# Altium PCB yidong.PcbDoc (part 1 of 2)
Units mil, origin at the board's own origin, x right, y up, seen from the top; angles counter-clockwise.
Board outline 17007.87 x 11459.7 mil, 3 copper layers (Top Layer, GND, Bottom Layer), stack 19.217 mil thick; 488 components, 481 nets, 1152 pads, 320 vias.
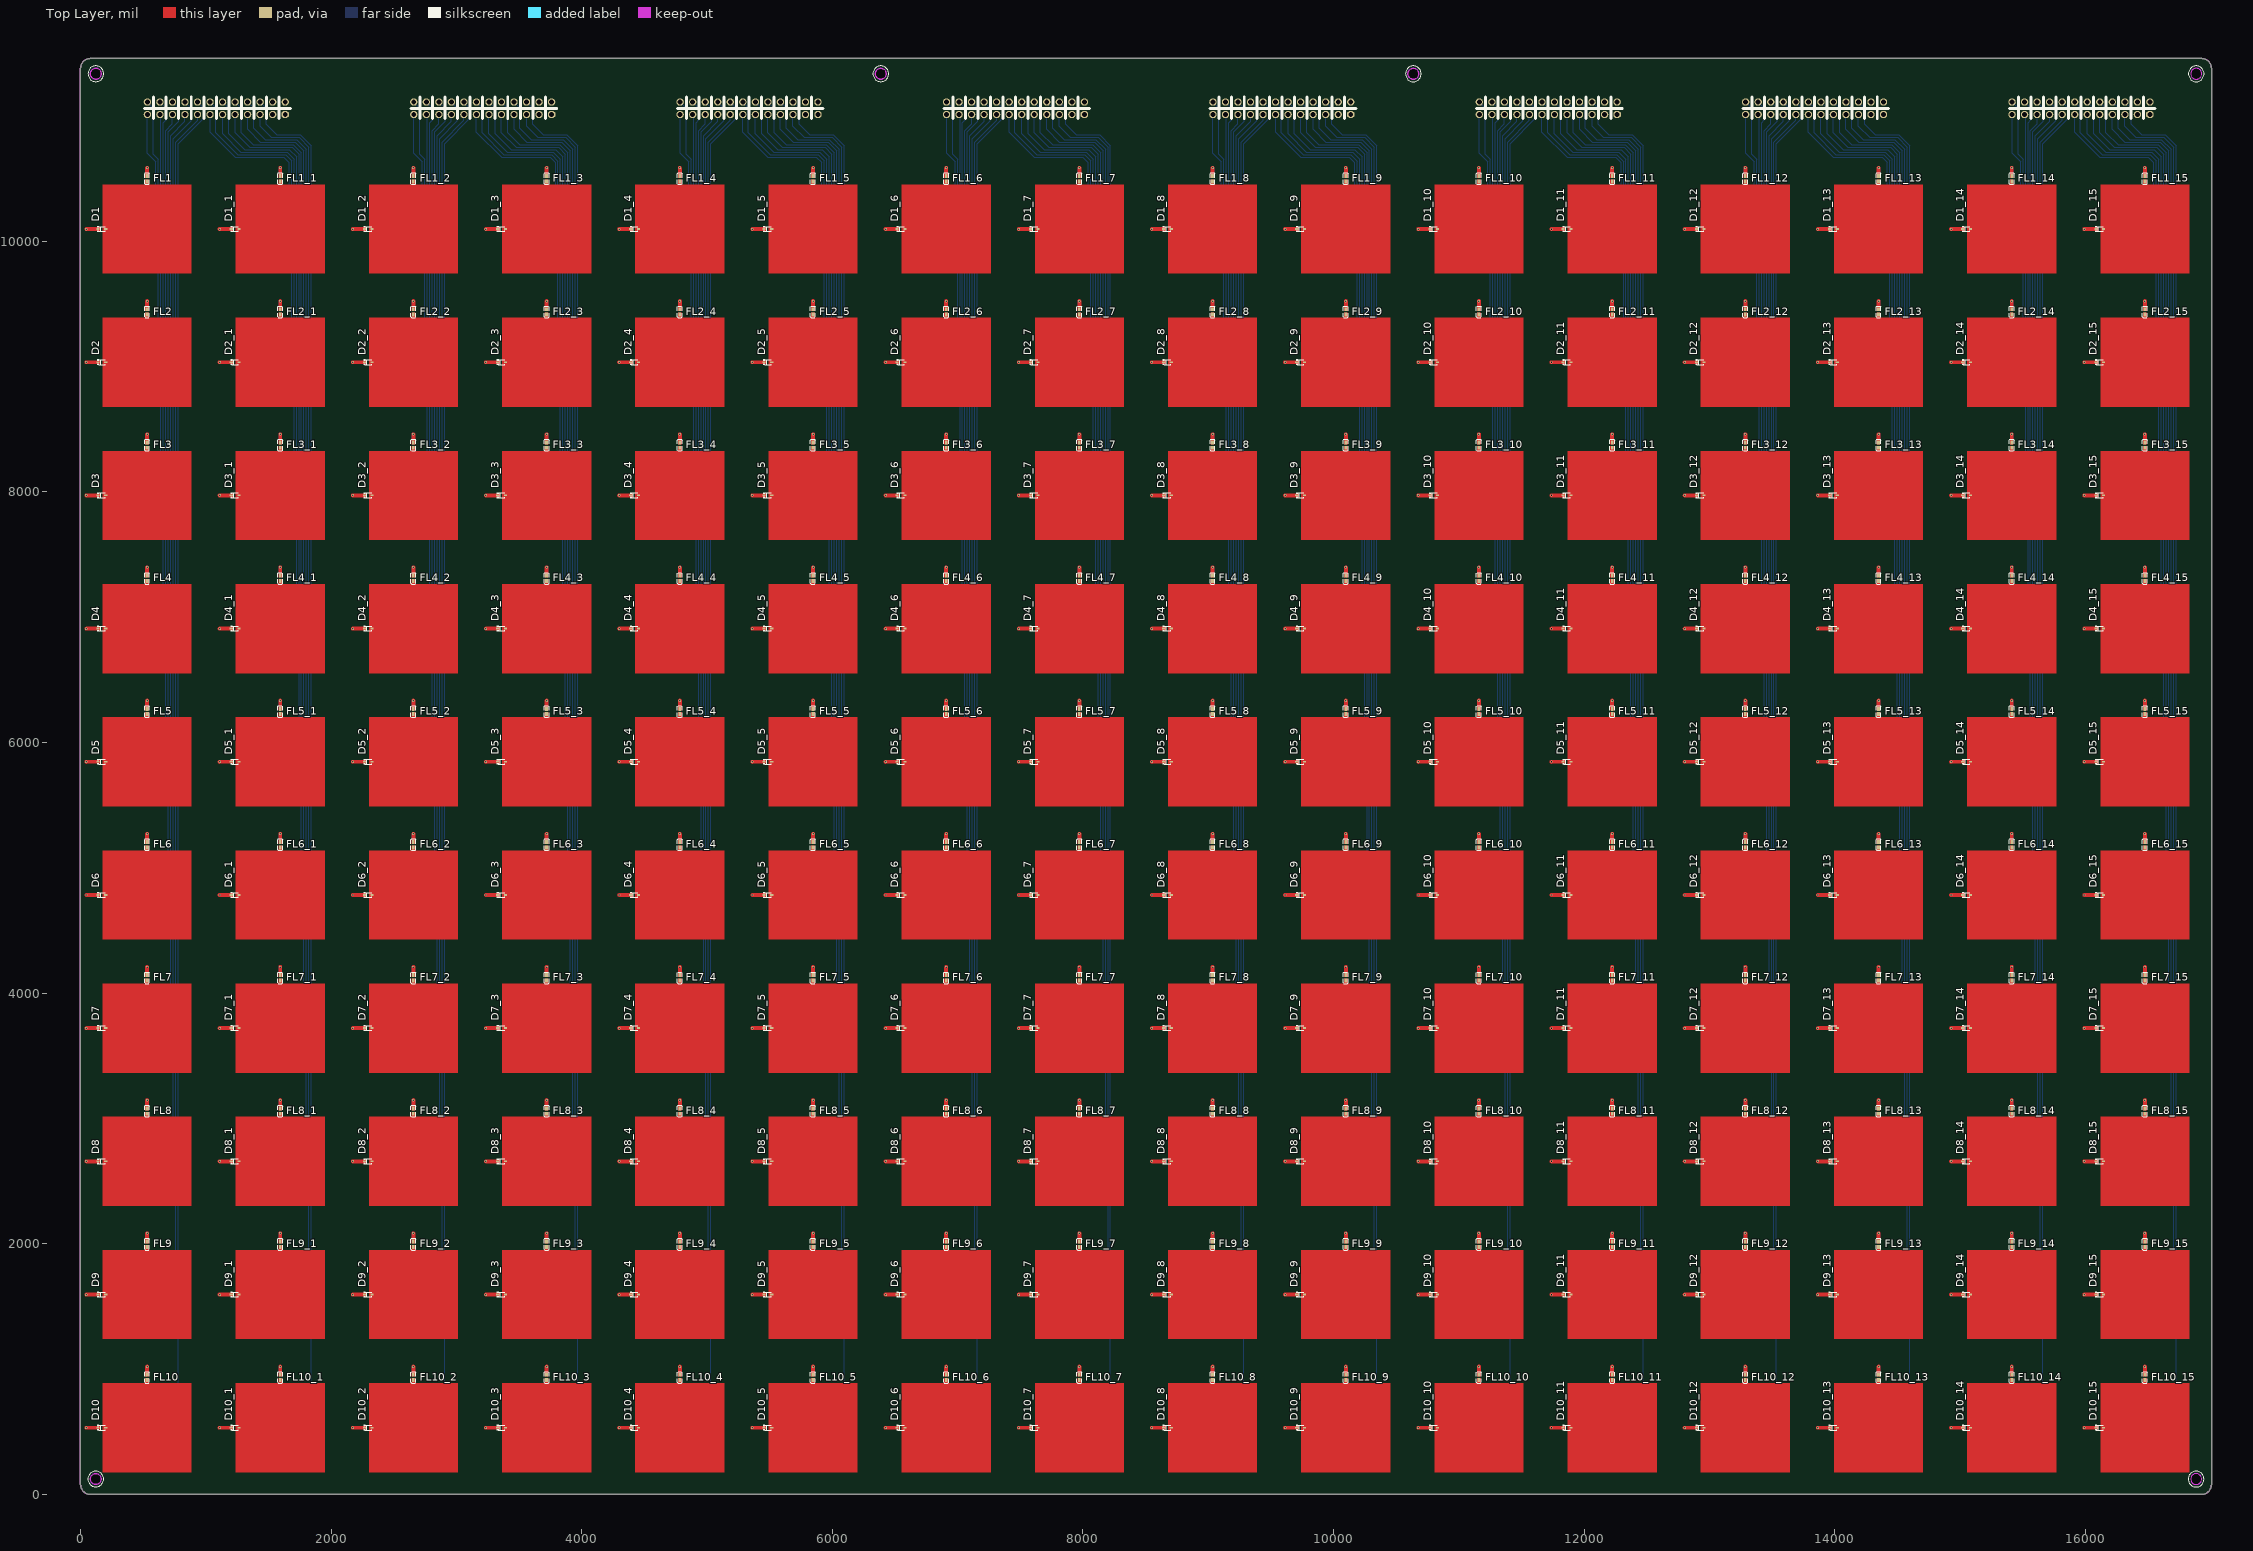
[diagram p0: Top Layer view]
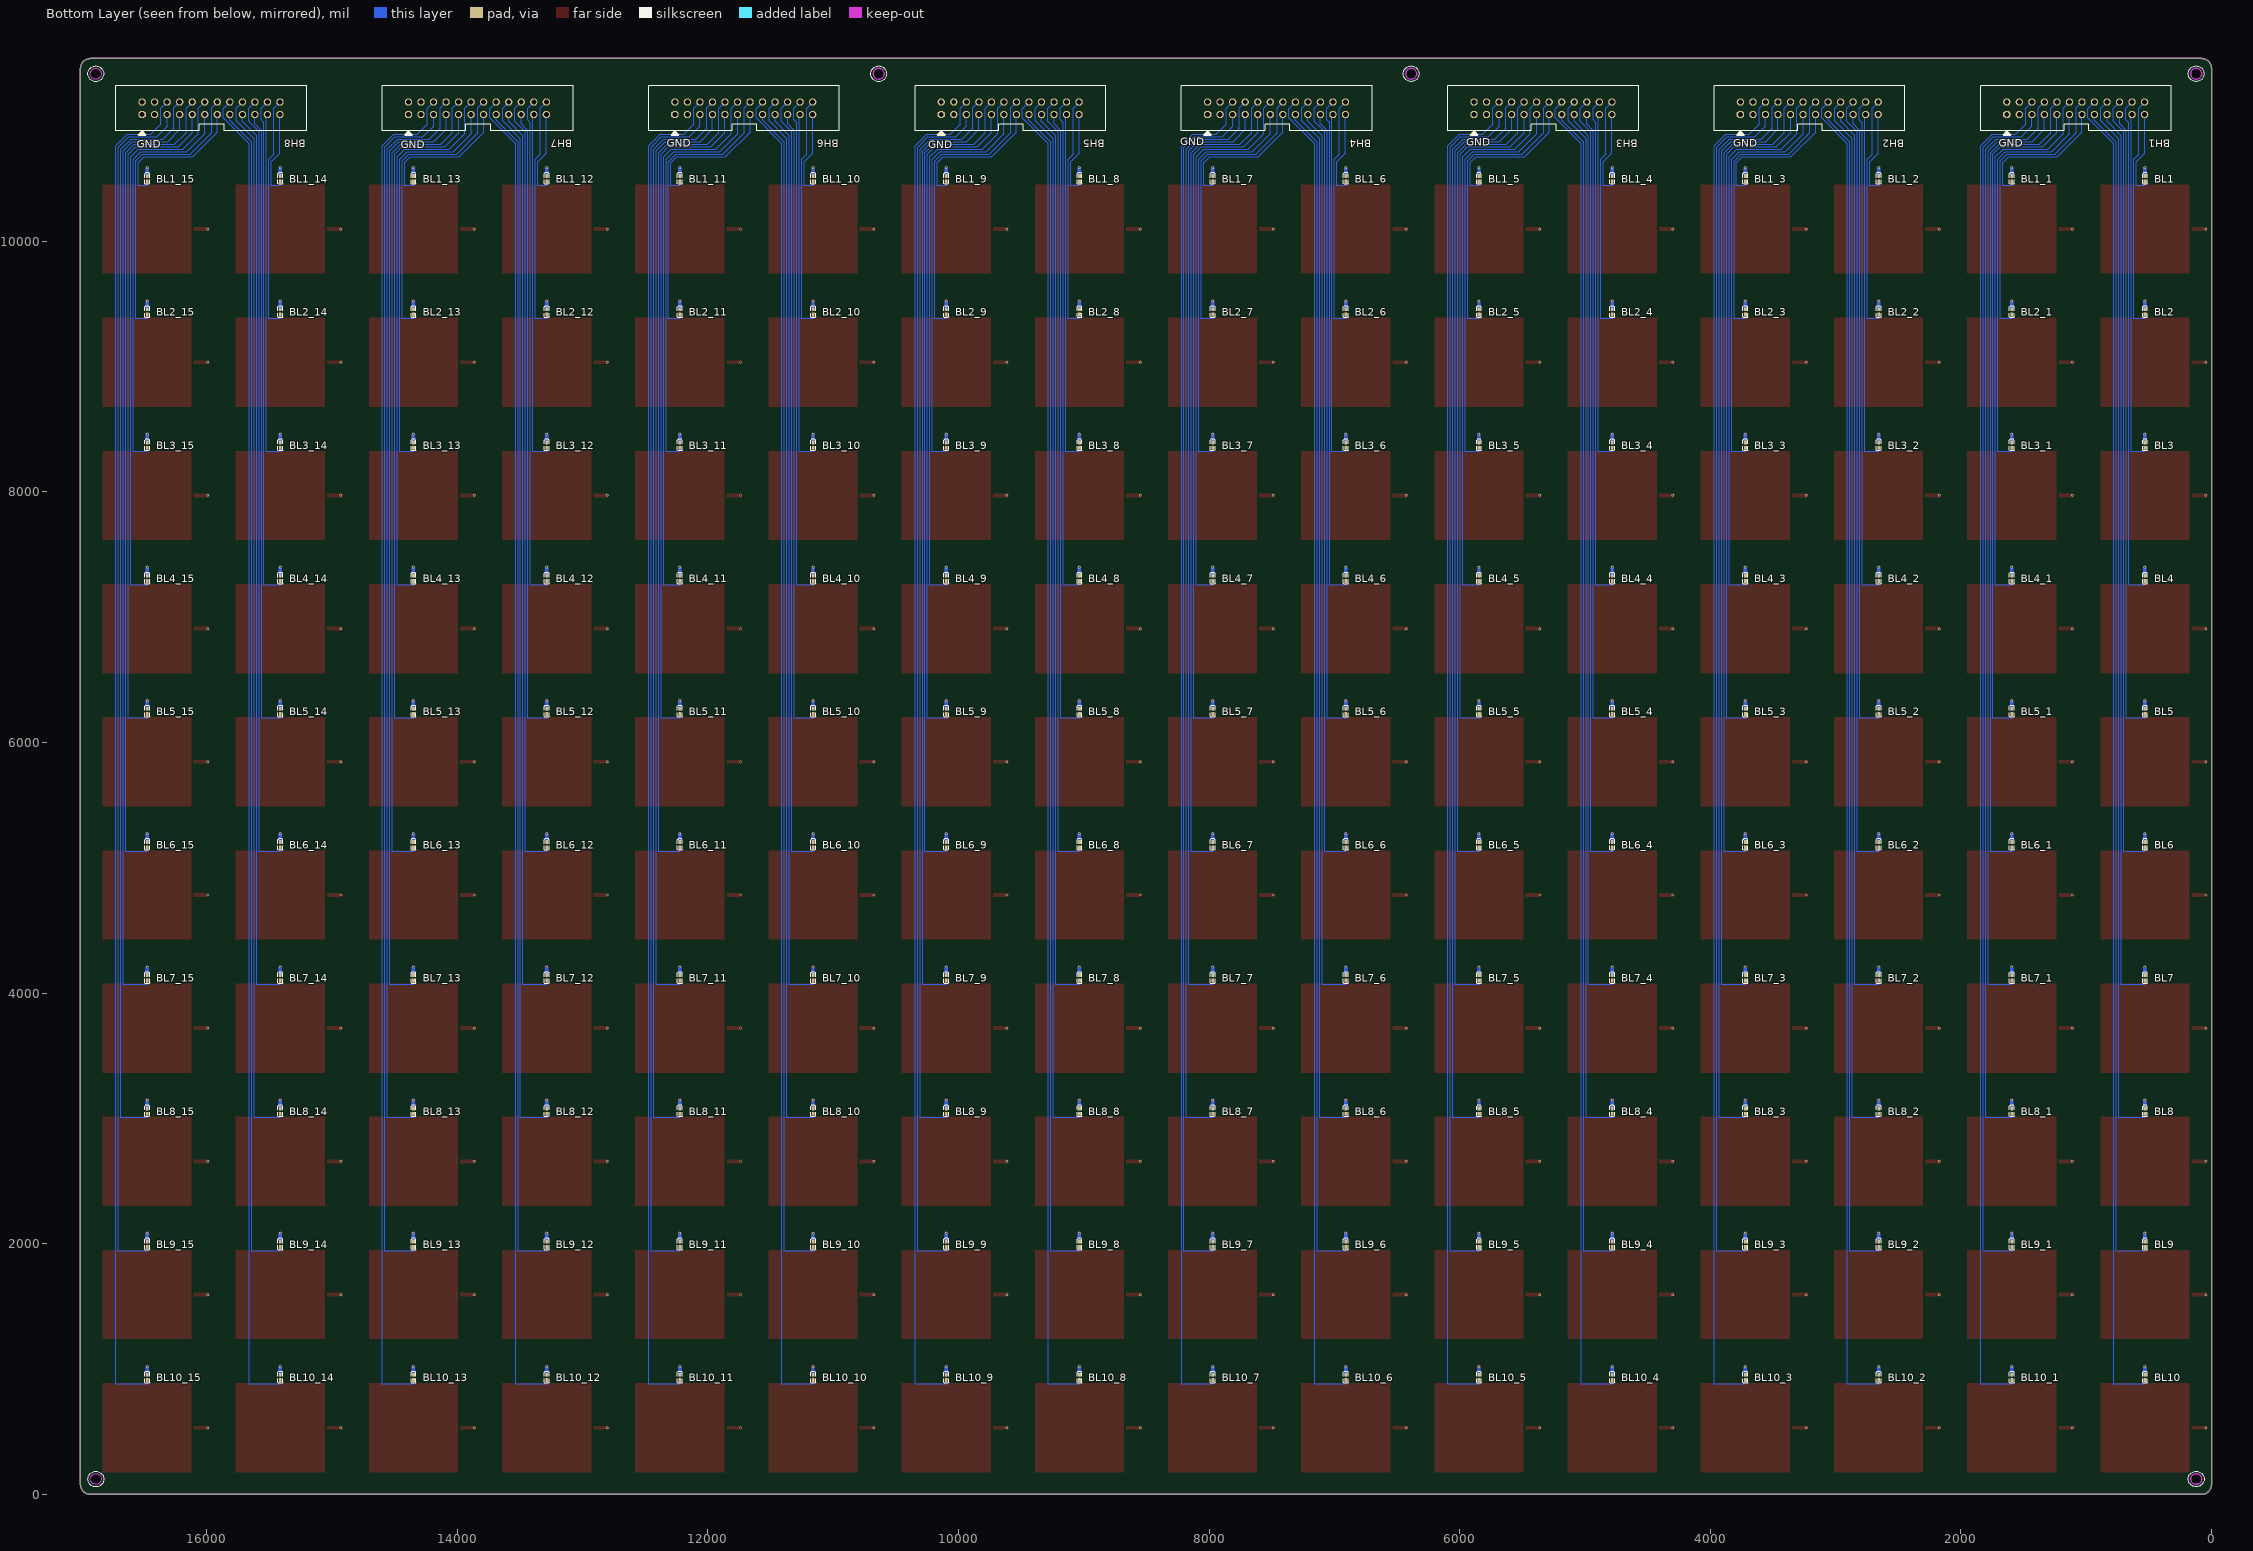
[diagram p1: Bottom Layer view, seen from below]
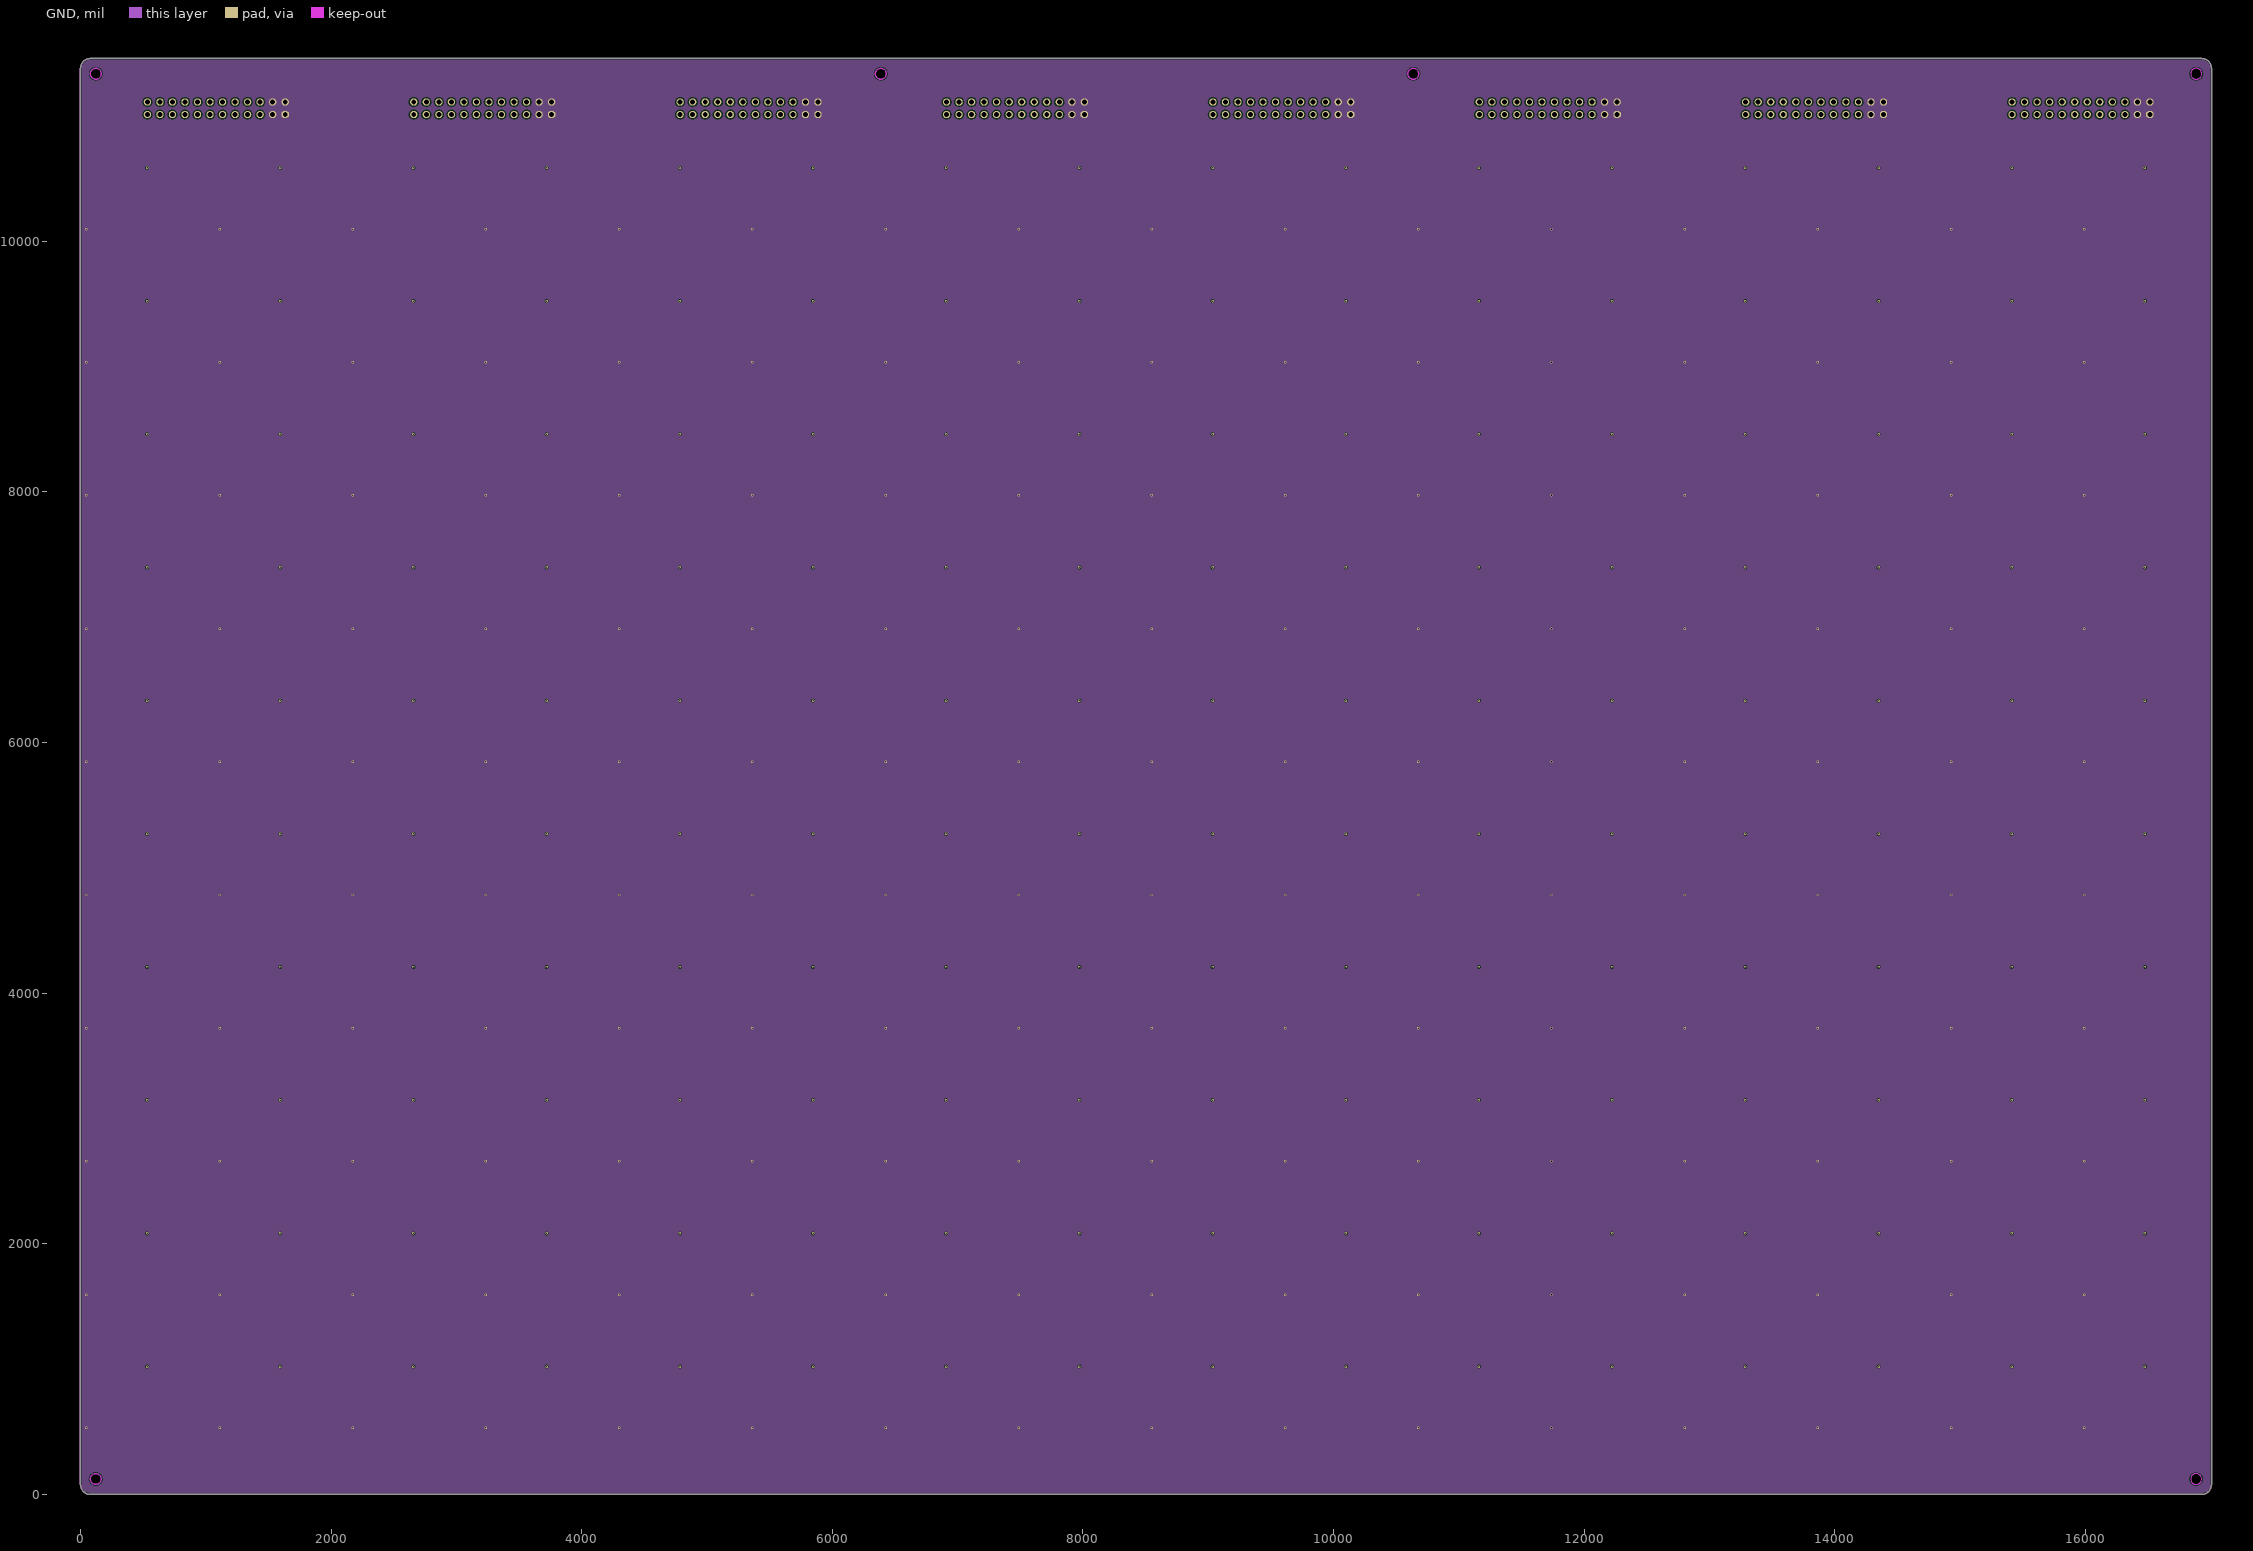
[diagram p2: GND]

## Layer stack, top to bottom
Top Solder: solder mask 0.4, Solder Resist, Dk 3.5
Top Layer: signal copper 1.4
Dielectric 1: core 10, FR-4, Dk 4.2
GND: signal copper 1.417
Dielectric 2: prepreg 5, Dk 4.2
Bottom Layer: signal copper 1.4
Bottom Solder: solder mask 0.4, Solder Resist, Dk 3.5

## Board outline
0,78.74 0,11380.96 cw(c78.74,11380.96) 78.74,11459.7 16929.13,11459.7 cw(c16929.13,11380.96) 17007.87,11380.96 17007.87,78.74 cw(c16929.13,78.74) 16929.13,0 78.74,0 cw(c78.74,78.74)
cut-out: 122.59,11294.44 cw(c122.59,11337.75) 79.29,11337.75 cw(c122.59,11337.75) 122.59,11381.06 cw(c122.59,11337.75) 165.9,11337.75 cw(c122.59,11337.75)
cut-out: 16842.62,11337.11 ccw(c16885.92,11337.11) 16885.92,11293.8 ccw(c16885.92,11337.11) 16929.23,11337.11 ccw(c16885.92,11337.11) 16885.92,11380.41 ccw(c16885.92,11337.11)
cut-out: 16841.97,121.95 ccw(c16885.28,121.95) 16885.28,78.64 ccw(c16885.28,121.95) 16928.59,121.95 ccw(c16885.28,121.95) 16885.28,165.26 ccw(c16885.28,121.95)
cut-out: 121.95,79.09 cw(c121.95,122.39) 78.64,122.39 cw(c121.95,122.39) 121.95,165.7 cw(c121.95,122.39) 165.26,122.39 cw(c121.95,122.39)
cut-out: 6387.49,11294.29 cw(c6387.49,11337.6) 6344.19,11337.6 cw(c6387.49,11337.6) 6387.49,11380.91 cw(c6387.49,11337.6) 6430.8,11337.6 cw(c6387.49,11337.6)
cut-out: 10637.49,11293.89 cw(c10637.49,11337.2) 10594.19,11337.2 cw(c10637.49,11337.2) 10637.49,11380.51 cw(c10637.49,11337.2) 10680.8,11337.2 cw(c10637.49,11337.2)

## Design rules (kind name [scope] priority, off if disabled: settings)
Clearance [All] p1: gap=10 except(3.94: Via-Poly)
PolygonConnect [All] p1: connectstyle=Direct reliefconductorwidth=10 reliefentries=4 polygonreliefangle="90 Angle" airgapwidth=10
RoutingVias [All] p1: holewidth=28 width=50 viastyle="Through Hole" minholewidth=28 minwidth=50 maxholewidth=28 maxwidth=50
SolderMaskExpansion [All] p1: expansion=4
Width [All] p1: maxlimit=39.37 minlimit=5 preferedwidth=10
30 further rules are at their usual default settings.

## Components (designator, comment, footprint, x,y, rotation, side; value= is the part's Value field where it differs from the comment)
BH1 "Comment" IDC2.54-24P 1634.1,11012.2 r180 bottom
BH2 "Comment" IDC2.54-24P 3760.08,11012.2 r180 bottom
BH3 "Comment" IDC2.54-24P 5886.07,11012.2 r180 bottom
BH4 "Comment" IDC2.54-24P 8012.05,11012.2 r180 bottom
BH5 "Comment" IDC2.54-24P 10138.04,11012.2 r180 bottom
BH6 "Comment" IDC2.54-24P 12264.02,11012.2 r180 bottom
BH7 "Comment" IDC2.54-24P 14390.01,11012.2 r180 bottom
BH8 "Comment" IDC2.54-24P 16515.99,11012.2 r180 bottom
BL1 "Comment" L0402 530.98,10500 r90 bottom
BL1_1 "Comment" L0402 1593.99,10500 r90 bottom
BL1_2 "Comment" L0402 2656.98,10500 r90 bottom
BL1_3 "Comment" L0402 3719.98,10500 r90 bottom
BL1_4 "Comment" L0402 4782.97,10500 r90 bottom
BL1_5 "Comment" L0402 5845.96,10500 r90 bottom
BL1_6 "Comment" L0402 6908.95,10500 r90 bottom
BL1_7 "Comment" L0402 7971.94,10500 r90 bottom
BL1_8 "Comment" L0402 9034.94,10500 r90 bottom
BL1_9 "Comment" L0402 10097.93,10500 r90 bottom
BL1_10 "Comment" L0402 11160.92,10500 r90 bottom
BL1_11 "Comment" L0402 12223.91,10500 r90 bottom
BL1_12 "Comment" L0402 13286.91,10500 r90 bottom
BL1_13 "Comment" L0402 14349.9,10500 r90 bottom
BL1_14 "Comment" L0402 15412.89,10500 r90 bottom
BL1_15 "Comment" L0402 16475.88,10500 r90 bottom
BL2 "Comment" L0402 531,9437.01 r90 bottom
BL2_1 "Comment" L0402 1593.99,9437.01 r90 bottom
BL2_2 "Comment" L0402 2656.98,9437.01 r90 bottom
BL2_3 "Comment" L0402 3719.98,9437.01 r90 bottom
BL2_4 "Comment" L0402 4782.97,9437.01 r90 bottom
BL2_5 "Comment" L0402 5845.96,9437.01 r90 bottom
BL2_6 "Comment" L0402 6908.95,9437.01 r90 bottom
BL2_7 "Comment" L0402 7971.94,9437.01 r90 bottom
BL2_8 "Comment" L0402 9034.94,9437.01 r90 bottom
BL2_9 "Comment" L0402 10097.93,9437.01 r90 bottom
BL2_10 "Comment" L0402 11160.92,9437.01 r90 bottom
BL2_11 "Comment" L0402 12223.91,9437.01 r90 bottom
BL2_12 "Comment" L0402 13286.91,9437.01 r90 bottom
BL2_13 "Comment" L0402 14349.9,9437.01 r90 bottom
BL2_14 "Comment" L0402 15412.89,9437.01 r90 bottom
BL2_15 "Comment" L0402 16475.88,9437.01 r90 bottom
BL3 "Comment" L0402 531,8374.02 r90 bottom
BL3_1 "Comment" L0402 1593.99,8374.02 r90 bottom
BL3_2 "Comment" L0402 2656.98,8374.02 r90 bottom
BL3_3 "Comment" L0402 3719.98,8374.02 r90 bottom
BL3_4 "Comment" L0402 4782.97,8374.02 r90 bottom
BL3_5 "Comment" L0402 5845.96,8374.02 r90 bottom
BL3_6 "Comment" L0402 6908.95,8374.02 r90 bottom
BL3_7 "Comment" L0402 7971.94,8374.02 r90 bottom
BL3_8 "Comment" L0402 9034.94,8374.02 r90 bottom
BL3_9 "Comment" L0402 10097.93,8374.02 r90 bottom
BL3_10 "Comment" L0402 11160.92,8374.02 r90 bottom
BL3_11 "Comment" L0402 12223.91,8374.02 r90 bottom
BL3_12 "Comment" L0402 13286.91,8374.02 r90 bottom
BL3_13 "Comment" L0402 14349.9,8374.02 r90 bottom
BL3_14 "Comment" L0402 15412.89,8374.02 r90 bottom
BL3_15 "Comment" L0402 16475.88,8374.02 r90 bottom
BL4 "Comment" L0402 531,7311.02 r90 bottom
BL4_1 "Comment" L0402 1593.99,7311.02 r90 bottom
BL4_2 "Comment" L0402 2656.98,7311.02 r90 bottom
BL4_3 "Comment" L0402 3719.98,7311.02 r90 bottom
BL4_4 "Comment" L0402 4782.97,7311.02 r90 bottom
BL4_5 "Comment" L0402 5845.96,7311.02 r90 bottom
BL4_6 "Comment" L0402 6908.95,7311.02 r90 bottom
BL4_7 "Comment" L0402 7971.94,7311.02 r90 bottom
BL4_8 "Comment" L0402 9034.94,7311.02 r90 bottom
BL4_9 "Comment" L0402 10097.93,7311.02 r90 bottom
BL4_10 "Comment" L0402 11160.92,7311.02 r90 bottom
BL4_11 "Comment" L0402 12223.91,7311.02 r90 bottom
BL4_12 "Comment" L0402 13286.91,7311.02 r90 bottom
BL4_13 "Comment" L0402 14349.9,7311.02 r90 bottom
BL4_14 "Comment" L0402 15412.89,7311.02 r90 bottom
BL4_15 "Comment" L0402 16475.88,7311.02 r90 bottom
BL5 "Comment" L0402 531,6248.03 r90 bottom
BL5_1 "Comment" L0402 1593.99,6248.03 r90 bottom
BL5_2 "Comment" L0402 2656.98,6248.03 r90 bottom
BL5_3 "Comment" L0402 3719.98,6248.03 r90 bottom
BL5_4 "Comment" L0402 4782.97,6248.03 r90 bottom
BL5_5 "Comment" L0402 5845.96,6248.03 r90 bottom
BL5_6 "Comment" L0402 6908.95,6248.03 r90 bottom
BL5_7 "Comment" L0402 7971.94,6248.03 r90 bottom
BL5_8 "Comment" L0402 9034.94,6248.03 r90 bottom
BL5_9 "Comment" L0402 10097.93,6248.03 r90 bottom
BL5_10 "Comment" L0402 11160.92,6248.03 r90 bottom
BL5_11 "Comment" L0402 12223.91,6248.03 r90 bottom
BL5_12 "Comment" L0402 13286.91,6248.03 r90 bottom
BL5_13 "Comment" L0402 14349.9,6248.03 r90 bottom
BL5_14 "Comment" L0402 15412.89,6248.03 r90 bottom
BL5_15 "Comment" L0402 16475.88,6248.03 r90 bottom
BL6 "Comment" L0402 531,5185.04 r90 bottom
BL6_1 "Comment" L0402 1593.99,5185.04 r90 bottom
BL6_2 "Comment" L0402 2656.98,5185.04 r90 bottom
BL6_3 "Comment" L0402 3719.98,5185.04 r90 bottom
BL6_4 "Comment" L0402 4782.97,5185.04 r90 bottom
BL6_5 "Comment" L0402 5845.96,5185.04 r90 bottom
BL6_6 "Comment" L0402 6908.95,5185.04 r90 bottom
BL6_7 "Comment" L0402 7971.94,5185.04 r90 bottom
BL6_8 "Comment" L0402 9034.94,5185.04 r90 bottom
BL6_9 "Comment" L0402 10097.93,5185.04 r90 bottom
BL6_10 "Comment" L0402 11160.92,5185.04 r90 bottom
BL6_11 "Comment" L0402 12223.91,5185.04 r90 bottom
BL6_12 "Comment" L0402 13286.91,5185.04 r90 bottom
BL6_13 "Comment" L0402 14349.9,5185.04 r90 bottom
BL6_14 "Comment" L0402 15412.89,5185.04 r90 bottom
BL6_15 "Comment" L0402 16475.88,5185.04 r90 bottom
BL7 "Comment" L0402 531,4122.05 r90 bottom
BL7_1 "Comment" L0402 1593.99,4122.05 r90 bottom
BL7_2 "Comment" L0402 2656.98,4122.05 r90 bottom
BL7_3 "Comment" L0402 3719.98,4122.05 r90 bottom
BL7_4 "Comment" L0402 4782.97,4122.05 r90 bottom
BL7_5 "Comment" L0402 5845.96,4122.05 r90 bottom
BL7_6 "Comment" L0402 6908.95,4122.05 r90 bottom
BL7_7 "Comment" L0402 7971.94,4122.05 r90 bottom
BL7_8 "Comment" L0402 9034.94,4122.05 r90 bottom
BL7_9 "Comment" L0402 10097.93,4122.05 r90 bottom
BL7_10 "Comment" L0402 11160.92,4122.05 r90 bottom
BL7_11 "Comment" L0402 12223.91,4122.05 r90 bottom
BL7_12 "Comment" L0402 13286.91,4122.05 r90 bottom
BL7_13 "Comment" L0402 14349.9,4122.05 r90 bottom
BL7_14 "Comment" L0402 15412.89,4122.05 r90 bottom
BL7_15 "Comment" L0402 16475.88,4122.05 r90 bottom
BL8 "Comment" L0402 531,3059.06 r90 bottom
BL8_1 "Comment" L0402 1593.99,3059.06 r90 bottom
BL8_2 "Comment" L0402 2656.98,3059.06 r90 bottom
BL8_3 "Comment" L0402 3719.98,3059.06 r90 bottom
BL8_4 "Comment" L0402 4782.97,3059.06 r90 bottom
BL8_5 "Comment" L0402 5845.96,3059.06 r90 bottom
BL8_6 "Comment" L0402 6908.95,3059.06 r90 bottom
BL8_7 "Comment" L0402 7971.94,3059.06 r90 bottom
BL8_8 "Comment" L0402 9034.94,3059.06 r90 bottom
BL8_9 "Comment" L0402 10097.93,3059.06 r90 bottom
BL8_10 "Comment" L0402 11160.92,3059.06 r90 bottom
BL8_11 "Comment" L0402 12223.91,3059.06 r90 bottom
BL8_12 "Comment" L0402 13286.91,3059.06 r90 bottom
BL8_13 "Comment" L0402 14349.9,3059.06 r90 bottom
BL8_14 "Comment" L0402 15412.89,3059.06 r90 bottom
BL8_15 "Comment" L0402 16475.88,3059.06 r90 bottom
BL9 "Comment" L0402 531,1996.06 r90 bottom
BL9_1 "Comment" L0402 1593.99,1996.06 r90 bottom
BL9_2 "Comment" L0402 2656.98,1996.06 r90 bottom
BL9_3 "Comment" L0402 3719.98,1996.06 r90 bottom
BL9_4 "Comment" L0402 4782.97,1996.06 r90 bottom
BL9_5 "Comment" L0402 5845.96,1996.06 r90 bottom
BL9_6 "Comment" L0402 6908.95,1996.06 r90 bottom
BL9_7 "Comment" L0402 7971.94,1996.06 r90 bottom
BL9_8 "Comment" L0402 9034.94,1996.06 r90 bottom
BL9_9 "Comment" L0402 10097.93,1996.06 r90 bottom
BL9_10 "Comment" L0402 11160.92,1996.06 r90 bottom
BL9_11 "Comment" L0402 12223.91,1996.06 r90 bottom
BL9_12 "Comment" L0402 13286.91,1996.06 r90 bottom
BL9_13 "Comment" L0402 14349.9,1996.06 r90 bottom
BL9_14 "Comment" L0402 15412.89,1996.06 r90 bottom
BL9_15 "Comment" L0402 16475.88,1996.06 r90 bottom
BL10 "Comment" L0402 531,933.07 r90 bottom
BL10_1 "Comment" L0402 1593.99,933.07 r90 bottom
BL10_2 "Comment" L0402 2656.98,933.07 r90 bottom
BL10_3 "Comment" L0402 3719.98,933.07 r90 bottom
BL10_4 "Comment" L0402 4782.97,933.07 r90 bottom
BL10_5 "Comment" L0402 5845.96,933.07 r90 bottom
BL10_6 "Comment" L0402 6908.95,933.07 r90 bottom
BL10_7 "Comment" L0402 7971.94,933.07 r90 bottom
BL10_8 "Comment" L0402 9034.94,933.07 r90 bottom
BL10_9 "Comment" L0402 10097.93,933.07 r90 bottom
BL10_10 "Comment" L0402 11160.92,933.07 r90 bottom
BL10_11 "Comment" L0402 12223.91,933.07 r90 bottom
BL10_12 "Comment" L0402 13286.91,933.07 r90 bottom
BL10_13 "Comment" L0402 14349.9,933.07 r90 bottom
BL10_14 "Comment" L0402 15412.89,933.07 r90 bottom
BL10_15 "Comment" L0402 16475.88,933.07 r90 bottom
D1 "Comment" SC-79_L1.2-W0.8-LS1.6-RD 170.91,10099 r0 top locked
D1_1 "Comment" SC-79_L1.2-W0.8-LS1.6-RD 1233.91,10099 r0 top locked
D1_2 "Comment" SC-79_L1.2-W0.8-LS1.6-RD 2296.9,10099 r0 top locked
D1_3 "Comment" SC-79_L1.2-W0.8-LS1.6-RD 3359.89,10099 r0 top locked
D1_4 "Comment" SC-79_L1.2-W0.8-LS1.6-RD 4422.88,10099 r0 top locked
D1_5 "Comment" SC-79_L1.2-W0.8-LS1.6-RD 5485.88,10099 r0 top locked
D1_6 "Comment" SC-79_L1.2-W0.8-LS1.6-RD 6548.87,10099 r0 top locked
D1_7 "Comment" SC-79_L1.2-W0.8-LS1.6-RD 7611.86,10099 r0 top locked
D1_8 "Comment" SC-79_L1.2-W0.8-LS1.6-RD 8674.85,10099 r0 top locked
D1_9 "Comment" SC-79_L1.2-W0.8-LS1.6-RD 9737.84,10099 r0 top locked
D1_10 "Comment" SC-79_L1.2-W0.8-LS1.6-RD 10800.84,10099 r0 top locked
D1_11 "Comment" SC-79_L1.2-W0.8-LS1.6-RD 11863.83,10099 r0 top locked
D1_12 "Comment" SC-79_L1.2-W0.8-LS1.6-RD 12926.82,10099 r0 top locked
D1_13 "Comment" SC-79_L1.2-W0.8-LS1.6-RD 13989.81,10099 r0 top locked
D1_14 "Comment" SC-79_L1.2-W0.8-LS1.6-RD 15052.8,10099 r0 top locked
D1_15 "Comment" SC-79_L1.2-W0.8-LS1.6-RD 16115.8,10099 r0 top locked
D2 "Comment" SC-79_L1.2-W0.8-LS1.6-RD 170.91,9036.01 r0 top locked
D2_1 "Comment" SC-79_L1.2-W0.8-LS1.6-RD 1233.91,9036.01 r0 top locked
D2_2 "Comment" SC-79_L1.2-W0.8-LS1.6-RD 2296.9,9036.01 r0 top locked
D2_3 "Comment" SC-79_L1.2-W0.8-LS1.6-RD 3359.89,9036.01 r0 top locked
D2_4 "Comment" SC-79_L1.2-W0.8-LS1.6-RD 4422.88,9036.01 r0 top locked
D2_5 "Comment" SC-79_L1.2-W0.8-LS1.6-RD 5485.88,9036.01 r0 top locked
D2_6 "Comment" SC-79_L1.2-W0.8-LS1.6-RD 6548.87,9036.01 r0 top locked
D2_7 "Comment" SC-79_L1.2-W0.8-LS1.6-RD 7611.86,9036.01 r0 top locked
D2_8 "Comment" SC-79_L1.2-W0.8-LS1.6-RD 8674.85,9036.01 r0 top locked
D2_9 "Comment" SC-79_L1.2-W0.8-LS1.6-RD 9737.84,9036.01 r0 top locked
D2_10 "Comment" SC-79_L1.2-W0.8-LS1.6-RD 10800.84,9036.01 r0 top locked
D2_11 "Comment" SC-79_L1.2-W0.8-LS1.6-RD 11863.83,9036.01 r0 top locked
D2_12 "Comment" SC-79_L1.2-W0.8-LS1.6-RD 12926.82,9036.01 r0 top locked
D2_13 "Comment" SC-79_L1.2-W0.8-LS1.6-RD 13989.81,9036.01 r0 top locked
D2_14 "Comment" SC-79_L1.2-W0.8-LS1.6-RD 15052.8,9036.01 r0 top locked
D2_15 "Comment" SC-79_L1.2-W0.8-LS1.6-RD 16115.8,9036.01 r0 top locked
D3 "Comment" SC-79_L1.2-W0.8-LS1.6-RD 170.91,7973.02 r0 top locked
D3_1 "Comment" SC-79_L1.2-W0.8-LS1.6-RD 1233.91,7973.02 r0 top locked
D3_2 "Comment" SC-79_L1.2-W0.8-LS1.6-RD 2296.9,7973.02 r0 top locked
D3_3 "Comment" SC-79_L1.2-W0.8-LS1.6-RD 3359.89,7973.02 r0 top locked
D3_4 "Comment" SC-79_L1.2-W0.8-LS1.6-RD 4422.88,7973.02 r0 top locked
D3_5 "Comment" SC-79_L1.2-W0.8-LS1.6-RD 5485.88,7973.02 r0 top locked
D3_6 "Comment" SC-79_L1.2-W0.8-LS1.6-RD 6548.87,7973.02 r0 top locked
D3_7 "Comment" SC-79_L1.2-W0.8-LS1.6-RD 7611.86,7973.02 r0 top locked
D3_8 "Comment" SC-79_L1.2-W0.8-LS1.6-RD 8674.85,7973.02 r0 top locked
D3_9 "Comment" SC-79_L1.2-W0.8-LS1.6-RD 9737.84,7973.02 r0 top locked
D3_10 "Comment" SC-79_L1.2-W0.8-LS1.6-RD 10800.84,7973.02 r0 top locked
D3_11 "Comment" SC-79_L1.2-W0.8-LS1.6-RD 11863.83,7973.02 r0 top locked